# Allegro board 4CHOEI-X86brd-1.brd (continued)
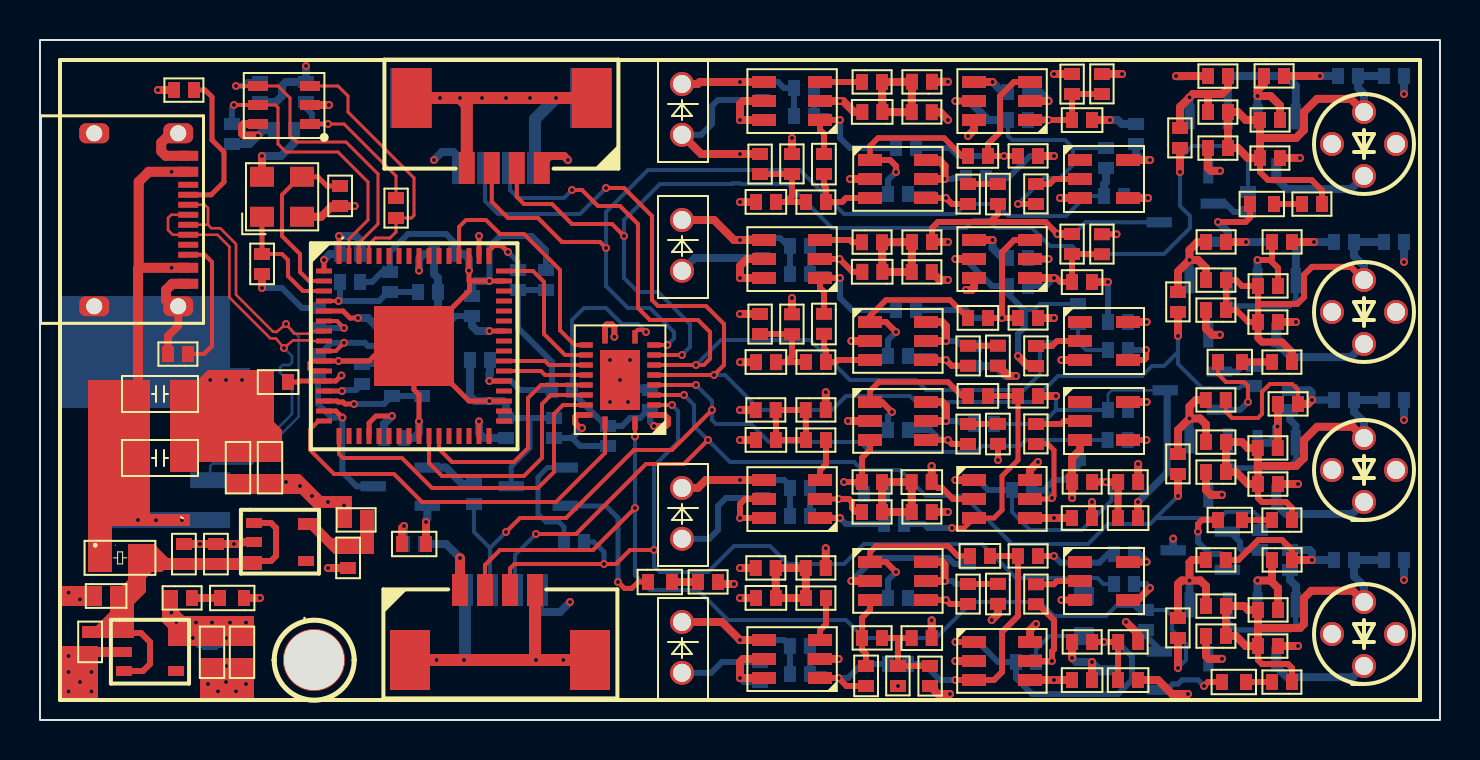
[diagram p0: board, top side]
## Routing (per net, layer and track width the routed paths; a pad name or vN(x,y) marks a point on that pad's centre or on a via; arc(x,y) is an arc through that point)
GND: length 524
  TOP w0.203: R43.2 59.29,15.41 59.6,15.1 60.9,15.1 61.1,15.3 61.1,16.4 61.5,16.8 62.6,16.8 62.9,16.5 R44.2
  TOP w0.25: U11.15 14.79,15.45 v1(15.12,15.12) ; U11.25 v1(18.95,14.93) 18.95,16.26 18.7,16.51 U11.65 ; U11.65 18.2,18.2 16.7,18.2 16.45,17.95 v1(14.93,17.95) U11.10 13.6,17.95 13.5,17.85 13.5,17.56 13.61,17.45 U11.11 ; U11.65 21.45,15.95 v1(22.47,15.95) U11.35 ; U11.65 21.48,21.48 21.48,21.95 ; v1(15.9,20.1) 15.5,20.1 15.15,20.45 U11.5 ; U11.1 v1(14.2,23) ; U11.51 v1(21.45,22.47) 21.45,21.98 21.48,21.95 ; U11.47 v1(22.47,21.95) 21.48,21.95 ; U15.2 v1(39.93,11.05)
  TOP w0.3: U16.2 45.65,11.05 45.1,11.6 44.88,11.6 C23.2 ; R63.2 v1(50.7,8.2) ; v1(39.93,11.05) 40.45,11.05 40.6,10.9 40.6,10.6 40.8,10.4 R58.1 ; C9.2 40.62,22.41 v1(39.98,23.05) U7.2 ; C18.2 v1(47.9,13) ; v1(28.72,19.16) 28.72,19.65 28.59,19.78 28.34,19.78 28.25,19.69 U12.11 ; C5.2 47.9,25.3 47.5,24.9 ; 47.5,24.9 50.27,24.9 v1(50.87,24.3) ; 47.5,24.9 44.9,24.9 44.6,24.6 R25.1 ; U8.2 v1(50.43,23.05) ; R64.2 59.92,8 60.92,9 62.1,9 62.6,8.5 R65.2
  TOP w0.36: U19.3 v1(51.07,6)
  TOP w0.4: U5.3 v1(51,26.1) ; R35.1 v1(35,20.3) ; v1(46.3,21.5) 46.59,21.5 46.7,21.61 U8.6 ; R66.1 v1(35,7.6) ; 6.91,20.68 6.91,19.71 6.4,19.2 R37.2 ; R16.1 v1(35,28.3) 33.06,28.3 PD1.2 ; U9.2 v1(40.57,18.95) ; U22.2 v1(45.77,2.95) ; C33.2 v1(44.59,4.99) ; C39.2 55.9,2 56.6,1.3 v1(57.4,1.3) ; C25.2 v1(54.9,10.9) ; v1(15.73,25.7) C6.1 14.6,25.7 14.06,25.16 Y1.2 ; R26.1 v1(50.87,24.3) ; R78.1 v1(51.6,3.1) ; U16.6 49.5,12.5 v1(49.9,12.9) ; v1(48.8,17.2) 48.41,17.2 C13.2 ; U2.6 46.7,29.5 v1(46.4,29.2) ; C19.2 v1(35,14) ; R4.1 v1(45.4,31.91) ; R33.2 v1(50.7,20.1) ; R1.2 57.2,32.2 57.19,32.2 v1(56.8,32.2) ; U2.2 v1(50.43,30.95) ; R42.2 v1(50.8,16.2) ; R22.2 v1(60.3,23.9) ; C14.2 v1(35.01,17.89) ; v1(35,25.9) C7.2 ; C23.2 v1(44.59,12.7) ; U10.3 v1(51.07,18) ; R7.2 v1(5.9,31.5) ; U21.2 v1(39.93,3.05) ; R2.2 v1(64,32.2) ; R23.2 v1(63.7,23.9) ; C8.1 v1(11.1,21.6) ; C29.1 v1(14.4,7.6) ; v1(63.6,8) R65.2 ; R45.1 v1(35,15.5) ; C38.2 v1(52.6,2.9) ; Y1.4 v1(11.1,28.2) ; U1.2 v1(40,30.95) 40.15,30.95 40.7,30.4 C1.2 ; v1(63.6,16) 63.4,15.8 R44.2 ; R13.2 v1(50.7,28.2) ; v1(53.4,21.9) C10.2 ; U22.6 49.5,4.5 v1(49.8,4.8) ; U17.2 10.11,8.9 10.01,8.8 v1(9.7,8.8) C27.1 v1(8,8.8) C26.1 ; R6.1 v1(50.7,32.3) ; U18.2 v1(40.57,6.95) ; U4.2 v1(40.5,27.05) ; v1(45.4,23.9) R25.1 ; v1(51.6,11.1) R55.1 51.6,12.49 51.6,12.5 51.6,13.1 52,13.5 U14.3 ; v1(47.59,5) 47.9,5.31 C30.2 ; C32.2 v1(35,6.1) ; D4.1 v1(11,6.1) ; C24.2 v1(52.6,10.9) ; U13.2 v1(40.4,14.95) ; v1(53.5,30) C2.2 ; U3.2 v1(14.45,30.75)
  TOP w0.5: U6.16 6.54,29.34 6.06,28.86 6.06,28.44 6.29,28.21 U6.1 ; U20.2 C34.1 ; U6.12 6.61,21.81 6.3,21.5 6.3,21 6.62,20.68 6.91,20.68
  TOP w0.6: J2.4 24.75,3.05 v1(24.8,3) ; v1(21,31.1) v1(20,31.1) J1.5 ; v1(21,31.1) 21.34,30.76 J1.4 ; v1(21,31.1) v1(22.1,31.1) v1(23.3,31.1) v1(24.5,31.1) v1(25.8,31.1) J1.6 ; v1(24.8,3) v1(26.17,3) J2.5 ; v1(24.8,3) v1(21.2,3) v1(19.83,3) J2.6
  GND-2 w0.127: 6.91,20.68 7.84,20.68 ; 6.91,20.68 6.91,21.36 ; 6.91,20.68 6.91,20.01 ; 6.91,20.68 5.98,20.68 ; 2.71,28.66 U6.15 ; U6.15 3.64,29.34 ; U6.15 2.71,30.01 ; U6.15 1.78,29.34 ; 1.78,20.68 2.71,20.68 ; 2.71,20.68 2.71,20.01 ; 2.71,20.68 2.71,21.36 ; 2.71,20.68 3.64,20.68 ; 6.91,28.66 U6.16 ; U6.16 6.91,30.01 ; U6.16 5.98,29.34 ; U6.16 7.84,29.34
  GND-2 w0.4: v1(50.7,20.1) R33.2 ; R33.2 49.8,20.1 47.9,22 ; R33.2 49.9,18.7 50.6,18 v1(51.07,18) ; v1(35,7.6) 36.9,7.6 37.6,6.9 37.6,5.25 ; v1(39.93,11.05) 38.75,11.05 37.7,12.1 ; 37.7,13.3 37.7,14.9 ; 37.7,13.3 43.2,13.3 ; 37.7,13.3 35.7,13.3 v1(35,14) ; 37.7,13.3 37.7,12.1 ; 37.7,14.9 37.1,15.5 v1(35,15.5) 35,15.89 35.01,15.9 v1(35.01,17.89) ; 37.7,14.9 37.75,14.95 v1(40.4,14.95) ; 37.7,12.1 36.7,11.1 34.14,11.1 PD3.2 ; 36.14,23.12 36.4,22.86 36.4,20.9 35.8,20.3 v1(35,20.3) ; 36.14,23.12 36.43,23.4 39.1,23.4 39.45,23.05 v1(39.98,23.05) 42.08,23.05 42.1,23.02 ; 36.14,23.12 32.76,23.12 PD2.2 ; 47.9,14.4 49.5,14.4 49.9,14 v1(49.9,12.9) 49.9,12.3 50.1,12.1 51.2,12.1 51.6,11.7 51.6,11.5 51.6,11.49 v1(51.6,11.1) 52.01,11.1 52.21,10.9 v1(52.6,10.9) v1(54.9,10.9) ; 47.9,14.4 47.9,15 46.7,16.2 ; 47.9,14.4 v1(47.9,13) ; v1(40.57,18.95) 40.57,20.17 42.05,21.65 ; 46.5,4.99 47.18,4.99 47.2,5 v1(47.59,5) 48.6,5 ; 46.5,4.99 v1(44.59,4.99) 44.21,5.36 43.5,5.36 43.4,5.26 ; 46.5,4.99 46.5,5.9 48.8,8.2 v1(50.7,8.2) ; 42.05,21.65 42.1,21.7 42.1,23.02 ; 42.05,21.65 42.7,21 45.8,21 ; 48.6,5 48.6,5.6 49,6 v1(51.07,6) 51.6,5.47 51.6,3.63 51.6,3.63 v1(51.6,3.1) 52,3.1 52.2,2.9 v1(52.6,2.9) ; 48.6,5 48.6,3.7 47.85,2.95 v1(45.77,2.95) ; 48.6,5 49.21,5 49.41,4.8 v1(49.8,4.8) ; 49.1,23.2 49.1,23.9 49.5,24.3 v1(50.87,24.3) ; 49.1,23.2 49.25,23.05 v1(50.43,23.05) ; 49.1,23.2 47.9,22 ; v1(51,26.1) 50.3,26.1 49.8,26.6 49.8,28.2 ; 37.6,5.25 37.6,4 36.8,3.2 32.94,3.2 PD4.2 ; 37.6,5.25 35.85,5.25 v1(35,6.1) ; 37.6,5.25 38.78,5.25 38.8,5.26 ; 42.35,30.95 v1(40,30.95) 33.79,30.95 PD1.2 ; 42.35,30.95 43.31,31.91 v1(45.4,31.91) ; 42.35,30.95 42.35,29.4 ; 45.8,21 46.9,21 47.9,22 ; 45.8,21 v1(46.3,21.5) ; v1(40.5,27.05) 40.5,27.58 42.32,29.4 42.35,29.4 ; v1(50.8,16.2) 46.7,16.2 ; 46.7,16.2 44.8,16.2 43.2,14.6 43.2,13.3 ; 43.4,5.26 42.9,4.76 v1(42.9,1.7) ; 43.4,5.26 41.4,5.26 ; 42.35,29.4 42.9,29.4 43.6,28.7 45.9,28.7 v1(46.4,29.2) 47.1,29.9 48.5,29.9 ; v1(53.5,30) 52.55,30.95 v1(50.43,30.95) ; 41.4,5.26 41.4,6.12 v1(40.57,6.95) ; 41.4,5.26 38.8,5.26 ; 43.2,13.3 43.98,13.3 v1(44.59,12.7) ; v1(50.43,30.95) 48.9,30.95 48.5,30.55 48.5,29.9 ; v1(50.43,30.95) 50.43,31.34 50.7,31.61 v1(50.7,32.3) ; 38.8,5.26 39.93,4.13 v1(39.93,3.05) ; v1(45.4,23.9) 42.9,23.9 42.1,23.1 42.1,23.02 ; 49.8,28.2 49.8,28.6 48.5,29.9 ; 49.8,28.2 v1(50.7,28.2)
  BOTTOM w0.127: v1(8.51,17) J4.8 ; v1(8.51,17) v1(9.3,17) v1(10.1,17) ; v1(8.51,17) J4.10 ; Q6.3 53.59,16.48 53.4,16.3 C68.2 ; J4.7 J4.9 3.51,18.69 2.71,19.49 2.71,20.68
  BOTTOM w0.203: Q3.3 52.28,24.89 51.7,24.3 v1(50.87,24.3) ; C69.2 50.1,14.8 50.8,15.5 ; 50.8,15.5 v1(50.8,16.2) ; 50.8,15.5 C68.2
  BOTTOM w0.25: Q9.3 23.56,12.66 24.5,13.6 24.5,15.1
  BOTTOM w0.3: C71.1 C70.2 ; PD1.2 33.06,29.26 33.6,29.8 33.6,30.7 33.9,31 C44.2 ; PD3.2 33.46,9.06 33.9,9.5 33.9,10.7 34.3,11.1 C75.2 ; v1(14.93,17.95) 15.75,17.95 15.9,17.8 R104.1 16.9,17.8 17.5,17.2 C64.1 ; C55.2 25.3,23.5 24.6,24.2 23,24.2 22.47,23.67 v1(22.47,21.95) ; v1(29,17) 29.6,17 30.1,16.5 C65.2 ; R101.1 13.1,20.6 12.1,21.6 v1(11.1,21.6) ; C63.1 13.9,15.8 14.58,15.12 v1(15.12,15.12) 15.12,12.4 15.83,11.69 Q10.3 ; C51.1 20.7,23.9 20.3,24.3 18.4,24.3 17.5,23.4 C57.1 17.1,22.4 16.6,21.9 C56.1 ; C59.2 v1(53.4,21.9) ; C79.2 45.72,7.8 45.42,8.1 41.72,8.1 v1(40.57,6.95) ; PD4.2 33.56,2.36 34.1,2.9 C82.2 ; C76.2 53.4,8.3 52.96,7.86 51.04,7.86 v1(50.7,8.2) ; v1(50.7,28.2) 49.5,28.2 48.4,27.1 C47.2
  BOTTOM w0.36: 56.36,16.48 56.36,12.36 v1(54.9,10.9) ; R108.2 63.49,16.5 63.6,16.39 v1(63.6,16) C67.2
  BOTTOM w0.4: v1(50.43,30.95) 49.98,31.4 C43.2 ; PD2.2 32.74,23.1 C54.2 ; C62.1 21.5,16.2 21.75,15.95 v1(22.47,15.95) 23.15,15.95 23.3,15.8 C71.1 ; C78.2 v1(63.6,8) 63.6,8.39 63.49,8.5 R119.2 ; Q11.3 v1(56.66,9.07) ; C81.2 9.2,2.8 v1(9.3,2.7) ; v1(21.45,22.47) 21.45,23.05 21.2,23.3 C51.1 ; v1(15.9,20.1) 16.4,20.1 16.8,19.7 C60.1 ; C52.1 14.5,23.3 v1(14.2,23) ; R84.2 v1(56.8,32.2) ; v1(22.47,21.95) 21.75,21.95 21.6,21.8 C58.1 ; C46.2 54.09,29.8 53.89,30 v1(53.5,30) ; Q14.3 53,2.48 52.6,2.88 v1(52.6,2.9) 51.8,2.9 v1(51.6,3.1) ; C61.2 47.77,17.7 48.27,17.2 v1(48.8,17.2) ; C77.2 v1(68.2,7) ; C66.2 v1(68.2,15) ; R95.2 v1(60.3,23.9) ; C40.2 v1(68.2,31.3) ; C45.1 12.7,28.85 12.05,28.2 v1(11.1,28.2) ; C72.1 18.69,14.1 18.95,14.36 v1(18.95,14.93) ; C49.2 v1(63.7,23.9) ; v1(50.43,23.05) 49.45,23.05 C53.2 ; C48.2 v1(68.2,22.9) ; C41.2 v1(64,32.2)
  BOTTOM w0.6: J2.5 v1(26.17,3) v1(24.8,3) v1(21.2,3) ; v1(25.8,31.1) J3.5 ; v1(25.8,31.1) 24.75,30.05 J3.4 ; v1(25.8,31.1) v1(24.5,31.1) v1(23.3,31.1) v1(22.1,31.1) v1(21,31.1) v1(20,31.1) J3.6 ; v1(21.2,3) 21.25,3.05 J5.4 ; v1(21.2,3) v1(19.83,3) J2.6
  vias: v1(1.43,6.37) v1(1.43,3.2) v1(1.43,2.4) v1(1.43,1.43) v1(2,6.03) v1(2,1.9) v1(2.57,2.4) v1(2.57,1.43) v1(8.4,1.8) v1(8.9,1.43) v1(9.3,1.9) v1(9.8,1.43) v1(10.3,1.8) v1(28.5,18) v1(28.5,15.9) v1(29.4,15.9) v1(29.5,18)
VBUS: length 7.8
  TOP w0.3: U20.1 5.05,4.35 5.5,3.9 5.5,2.8 5.15,2.45 U20.3 ; U17.3 11.55,7.95 11.8,8.2 11.8,9.6 11.55,9.85 U17.1
VBUSIN: length 20.8
  TOP w0.5: U6.11 v1(6.58,22.61) 4.94,22.61 ; 4.94,22.61 4.94,26.91 5.44,27.41 v1(6.58,27.41) U6.2 ; 4.94,22.61 4.9,22.57 C16.1
  BOTTOM w0.4: J4.1 4.69,9.99 4.7,10 v1(4.9,10) 5.33,10 5.34,9.99 v1(5.8,9.99) 6.56,9.99 6.57,10 v1(7.1,10) 7.11,9.99 J4.2
VDD18: length 46.2
  TOP w0.25: U11.37 v1(22.47,16.95) ; C15.2 12.89,16.9 12.94,16.95 U11.12 14.79,16.95 v1(15.07,17.23) ; U11.64 v1(14.95,24.2)
  VCC-3 w0.4: v1(15.2,10.73) 14.57,10.73 v1(14.4,10.9) 13.9,10.9 v1(13.6,11.2) 13.6,11.59 13.49,11.7 v1(13,11.7) 12.5,11.7 v1(12.3,11.9) 12.3,12.43 12.5,12.63 12.5,12.7 12.8,13 15.2,13 16.6,14.4 16.6,16.4 16.13,16.87 16.13,17.23 ; 17.3,18.4 17.3,23.1 16.2,24.2 v1(14.95,24.2) ; 17.3,18.4 16.13,17.23 ; 17.3,18.4 18.75,16.95 v1(22.47,16.95) ; 16.13,17.23 v1(15.07,17.23)
  BOTTOM w0.3: v1(22.47,16.95) 23.55,16.95 24,16.5 R107.2 25.6,17.9 23.9,19.6 R97.2 C55.1
  BOTTOM w0.4: v1(22.47,16.95) 22.47,17.34 22.5,17.37 C62.2 ; C52.2 16,24 15.8,24.2 v1(14.95,24.2)
VDD33: length 421.3
  TOP w0.25: U11.50 v1(21.95,24.2) ; U11.20 16.45,14.85 16.8,15.2 v1(17.6,15.2) ; U11.42 v1(22.47,19.45) ; U11.56 v1(18.95,22.47) ; U11.31 v1(21.95,14.93)
  TOP w0.3: U15.5 35.25,11.05 35,10.8 v1(35,10.1) U15.6 ; v1(27.1,14.6) 27,14.6 26.76,14.84 26.76,15.16 26.85,15.25 U12.19 ; R27.2 v1(53.83,24.29)
  TOP w0.36: U19.5 v1(55.33,7.9)
  TOP w0.4: R80.1 v1(62.9,3.7) ; U9.6 45.09,19.9 45.3,19.69 v1(45.3,18.95) U9.5 ; U13.6 45.09,15.9 45.3,15.69 v1(45.3,14.95) U13.5 ; U18.6 45.09,7.9 45.23,7.76 v1(45.23,6.95) U18.5 ; v1(45.4,30) 45.01,30.39 R8.2 ; v1(45.5,1.3) 44.9,1.3 R82.2 ; R34.1 v1(62.8,19.9) ; R28.2 44.99,22 v1(45.4,22) ; U22.4 v1(50.7,2) C38.1 ; U21.6 v1(35,2.1) 35,2.9 35.15,3.05 U21.5 ; U7.5 35.35,23.05 35,22.7 v1(35,22.1) U7.6 ; R15.2 v1(37.6,29.1) ; C24.1 v1(50.7,10.1) U16.4 ; U10.5 v1(55.33,19.9) ; R5.2 v1(54.1,32.3) ; v1(26.4,28) 26.2,28.2 25.49,28.2 25.09,27.8 J1.1 ; v1(10.9,29.22) 10.2,29.22 10.1,29.32 10.1,29.7 10.2,29.8 U3.6 ; R46.2 v1(39.29,16.39) ; U4.5 v1(45.23,27.05) 45.23,27.7 44.93,28 U4.6 ; U14.5 v1(55.33,15.9) ; R67.2 v1(39.29,8.59) ; R79.2 54.91,4.29 v1(54.3,4.9) ; R59.2 v1(45.4,10.4) ; U1.6 v1(35,30) 35,30.8 35.15,30.95 U1.5 ; v1(34.7,6.8) 34,6.8 R68.2 ; R14.1 v1(63,28.1) ; R36.2 v1(37.6,21.1) ; R56.2 v1(54.91,12.8) ; U2.4 v1(47.63,31.9) ; U5.5 v1(55.5,28) ; R57.1 v1(62.9,11.8) ; U8.4 v1(47.63,24)
  TOP w0.5: J2.1 v1(21,8.1)
  VCC-3 w0.4: v1(27.1,14.6) 27.1,14 26.7,13.6 25.8,13.6 ; 33.45,7.15 33.6,7.3 33.6,8 34.5,8.9 35.6,8.9 35.88,9.18 35.88,10.02 35.8,10.1 ; 33.45,7.15 33.7,6.9 34.07,6.9 34.17,6.8 v1(34.7,6.8) ; 33.45,7.15 33.1,6.8 30.9,6.8 30.1,6 27.9,6 26.6,7.3 26.6,7.5 ; 45.3,19.9 46.4,19.9 47,20.5 ; 55.5,30 55.5,30.9 54.8,31.6 53.4,31.6 ; 55.5,30 53.83,28.33 53.83,25.5 ; 55.5,30 v1(55.5,28) ; 55.5,30 56.2,29.3 60.4,29.3 61.6,28.1 ; 23.4,7.5 22.7,6.8 9.9,6.8 9.5,6.4 v1(9.5,4.87) ; 23.4,7.5 22.8,8.1 v1(21,8.1) ; 23.4,7.5 26.6,7.5 ; 55.33,8.7 55.33,9.63 55.9,10.2 55.9,11.8 v1(54.91,12.8) 54.38,12.8 53.3,13.88 53.3,16.9 ; 55.33,8.7 v1(55.33,7.9) ; 55.33,8.7 53.91,7.28 53.91,5.82 54.3,5.43 v1(54.3,4.9) 54.91,4.29 54.91,3.31 53.6,2 v1(50.7,2) ; 47,20.5 47,21.5 ; 47,20.5 47,19.4 ; 47,27.9 47,25.15 47.63,24.53 v1(47.63,24) 47.63,23.23 47,22.6 47,21.5 ; 47,27.9 46.08,27.9 45.69,27.51 ; 47,27.9 47,28.5 48.3,29.8 48.3,30.4 ; 53.4,31.6 v1(54.1,32.3) ; 53.4,31.6 48.9,31.6 ; 55.33,21 54.4,21 53.3,19.9 53.3,16.9 ; 55.33,21 55.33,24 53.83,25.5 ; 55.33,21 v1(55.33,19.9) ; 36.5,22.8 35.8,22.1 v1(35,22.1) ; 36.5,22.8 36.5,21.8 ; 36.5,22.8 36.5,25.2 37.6,26.3 R15.2 ; 46.7,10.9 46.7,14.9 47,15.2 47,16.4 ; 46.7,10.9 45.9,10.9 v1(45.4,10.4) ; 46.7,10.9 47.5,10.1 v1(50.7,10.1) ; 46.7,10.9 46.7,7.8 ; 53.3,16.9 54.3,15.9 v1(55.33,15.9) ; v1(35,2.1) 35.9,2.1 37,3.2 37,8 38.44,9.44 ; v1(53.83,24.29) 53.83,25.5 ; 25.8,13.6 27,12.4 27,7.9 26.6,7.5 ; 25.8,13.6 24.47,14.93 ; 61.08,19.9 v1(62.8,19.9) ; 61.08,19.9 61.08,21.08 62.3,22.3 62.3,26.4 61.6,27.1 61.6,28.1 ; 61.08,19.9 61.08,19.08 58.8,16.8 58.8,14.04 61.04,11.8 ; v1(45.23,27.05) 45.69,27.51 ; 45.69,27.51 44.2,29 40.7,29 40,28.3 R15.2 ; 48.3,30.4 46.6,30.4 46.2,30 v1(45.4,30) ; 48.3,30.4 48.9,31 48.9,31.6 ; 36.79,11.09 38.44,9.44 ; 36.79,11.09 35.8,10.1 ; 36.79,11.09 36.5,11.38 36.5,17 ; 38.44,9.44 v1(39.29,8.59) ; 18.05,29.65 16.6,28.2 13.6,28.2 12.58,29.22 v1(10.9,29.22) ; 18.05,29.65 19,28.7 ; 18.05,29.65 15,32.7 v1(13.3,32.7) ; v1(45.4,22) 46.05,22 46.08,22.03 46.52,22.03 46.83,21.72 46.83,21.67 47,21.5 ; v1(35,30) 36.7,30 v1(37.6,29.1) R15.2 ; 24.47,14.93 25.6,16.05 25.6,18.5 24.65,19.45 24.05,19.45 ; 24.47,14.93 v1(21.95,14.93) 21.47,14.93 20.6,15.8 18.2,15.8 v1(17.6,15.2) ; v1(39.29,16.39) 37.11,16.39 36.5,17 ; 22,25.8 21.95,25.75 v1(21.95,24.2) ; 22,25.8 22,25.9 ; 22,25.8 23.5,25.8 25.7,23.6 25.7,21.1 24.05,19.45 ; 22,25.9 21.9,25.8 20.4,25.8 20,25.4 20,23.52 v1(18.95,22.47) ; 22,25.9 22,28.2 21.5,28.7 ; v1(19.7,28) 19,28.7 ; 19,28.7 21.5,28.7 ; 35.8,10.1 v1(35,10.1) ; 21.5,28.7 25.7,28.7 v1(26.4,28) ; 46.7,7.8 46.7,4.2 47.3,3.6 47.3,1.7 46.9,1.3 v1(45.5,1.3) ; 46.7,7.8 45.69,7.8 45.23,7.34 v1(45.23,6.95) ; 47,16.4 46.6,16 45.6,16 45.3,15.7 v1(45.3,14.95) ; 47,16.4 47,19.4 ; 26.6,7.5 26.5,7.4 v1(26.5,5.9) ; v1(22.47,19.45) 24.05,19.45 ; 36.5,21.8 37.2,21.1 v1(37.6,21.1) ; 36.5,21.8 36.5,17 ; v1(62.9,3.7) 62.4,4.2 62.4,7.4 61.04,8.76 61.04,11.8 ; v1(45.3,18.95) 46.55,18.95 47,19.4 ; 61.6,28.1 v1(63,28.1) ; 48.9,31.6 47.93,31.6 v1(47.63,31.9) ; v1(62.9,11.8) 61.04,11.8
  BOTTOM w0.3: C69.1 46.1,14.8 45.95,14.95 v1(45.3,14.95) ; 26.6,14.1 27,13.7 R110.2 ; 26.6,14.1 v1(27.1,14.6) ; 26.6,14.1 C70.1 ; C44.1 v1(35,30) ; C79.1 45.77,6.8 45.62,6.95 v1(45.23,6.95) ; U10.5 v1(55.33,19.9) ; 20.3,19.7 20.3,17.5 20,17.2 R106.2 ; 20.3,19.7 20.8,20.2 C58.2 ; 20.3,19.7 L2.1 ; C75.1 v1(35,10.1) ; C61.1 46.1,18.7 45.85,18.95 v1(45.3,18.95) ; v1(45.23,27.05) 45.62,27.05 45.67,27.1 C47.1 ; v1(55.33,15.9) 54.8,15.9 C68.1 ; C82.1 35.2,1.9 v1(35,2.1)
  BOTTOM w0.4: v1(47.63,31.9) 48.13,31.4 C43.1 ; J5.1 25,5.51 25.11,5.4 26,5.4 v1(26.5,5.9) ; v1(17.6,15.2) 17.2,14.8 C72.2 ; v1(21,8.1) 20.3,8.8 R62.2 ; C54.1 v1(35,22.1) ; v1(9.3,4.1) 9,3.8 C81.1 7.94,3.8 v1(7.64,4.1) ; J3.1 21,28.07 20.67,28.4 20.1,28.4 v1(19.7,28) ; v1(22.47,19.45) 21.86,19.45 21.6,19.71 C58.2 ; C45.2 11.18,29.5 v1(10.9,29.22) 10.48,28.8 R89.2 ; R86.2 11.8,30.9 12.1,31.2 12.1,31.7 12.3,31.9 R85.2 v1(13.3,32.7) ; v1(55.33,7.9) 54.93,8.3 C76.1 ; v1(47.63,24) 47.63,23.6 48.13,23.1 C53.1 ; v1(18.95,22.47) 18.95,23.05 19.2,23.3 C51.2 19.7,22.3 19.9,22.1 L1.1 19.9,20.63 19.77,20.5 19.42,20.5 19.11,20.19 L2.1 ; C71.2 22.2,14.1 21.95,14.35 v1(21.95,14.93) ; v1(55.5,28) 55.11,28 54.8,28.31 C46.1
  vias: v1(6.57,5.37) v1(6.81,4.9) v1(7.8,4.87) v1(8.6,4.87) v1(10.3,4.87)
DM: length 23.9
  TOP w0.127: U11.7 13.57,19.45 13.43,19.31 12.76,19.31 12.71,19.32 v1(12.3,19.8) 11.83,19.4 11.65,19.42 9.8,21.26 9.8,23.8 9.01,24.59 8.57,24.59 8.4,24.76 ; U6.5 8.24,25.76 8.4,25.6 8.4,24.76 ; 8.4,24.76 U6.7
  BOTTOM w0.127: v1(12.3,19.8) 12.93,19.17 12.93,15.16 10.59,12.82 8.64,12.82 8.51,12.7 J4.4
DP: length 23.7
  TOP w0.127: U11.8 13.57,18.95 13.54,18.98 12.74,18.98 12.66,18.99 v1(12.2,18.6) 11.8,19.07 11.64,19.09 11.51,19.09 9.47,21.13 9.47,23.66 8.87,24.26 U6.8 6.64,24.26 6.4,24.5 6.4,25.1 6.56,25.26 U6.6
  BOTTOM w0.127: J4.6 8.51,13.28 8.64,13.16 10.46,13.16 12.6,15.3 12.6,17.11 12.47,17.24 12.13,17.24 12,17.37 12,17.62 12.13,17.75 12.47,17.75 12.6,17.88 12.6,18.2 v1(12.2,18.6)
RXD_A: length 46.3
  TOP w0.203: U12.3 v1(31.6,15.75) ; v1(30.7,8.5) 29.5,8.5 28.8,7.8 v1(28.2,7.8) 23.73,7.8 23.5,7.57 J2.3
  BOTTOM w0.203: 52,7.1 52.2,6.9 R122.2 ; 52,7.1 48.8,7.1 47.1,8.8 41.2,8.8 40.2,7.8 37.4,7.8 36.5,8.7 34.7,8.7 33.4,7.4 31,7.4 30.7,7.7 v1(30.7,8.5) 30.7,12.7 31.9,13.9 31.9,15.45 v1(31.6,15.75) ; 52,7.1 52.87,7.1 53.17,6.8 R120.1
  BOTTOM w0.25: R118.2 27.7,8.9 28.2,8.4 v1(28.2,7.8)
RXD_B: length 43.5
  TOP w0.203: U12.5 v1(32.8,16.75) ; v1(23.3,9.4) 24,10.1 26.3,10.1 29.7,13.5 31.6,13.5 v1(33.6,15.5)
  BOTTOM w0.203: R111.1 R112.2 49.3,14 49,13.7 47.1,13.7 46.8,13.4 41.5,13.4 41,13.9 36.45,13.9 35.55,14.8 33.8,14.8 33.6,15 v1(33.6,15.5) 33.6,15.95 v1(32.8,16.75) ; v1(23.3,9.4) 22.5,8.6 ; 22.5,8.6 J5.3 ; 22.5,8.6 21.7,9.4 R114.2
RXD_C: length 46.1
  TOP w0.203: U12.7 v1(32.8,17.75) 33.19,17.75 33.5,18.06 33.5,19.4 32.9,20 30.5,20 29.9,20.6 29.9,24.8 29,25.7 27.9,25.7 27.1,26.5 v1(26.6,26.5)
  BOTTOM w0.203: v1(26.6,26.5) 26.2,26.1 23.9,26.1 23.5,26.5 J3.3 ; 51.9,18.9 50.3,18.9 50,18.6 50,17.3 49.2,16.5 44.3,16.5 43.8,17 40.5,17 38.5,19 34.05,19 v1(32.8,17.75) ; 51.9,18.9 52.3,18.5 R102.1 ; 51.9,18.9 R100.2
RXD_D: length 46.9
  TOP w0.203: U12.9 v1(31.37,18.75) ; J1.3 22.59,25.91 23.4,25.1 24.9,25.1 26.1,23.9 28,23.9 v1(28.3,23.6)
  BOTTOM w0.203: R93.1 52.3,26.2 51.3,25.2 48.4,25.2 47.8,25.8 46.3,25.8 45.8,25.3 40.2,25.3 38,27.5 30.4,27.5 28.3,25.4 v1(28.3,23.6) 28.3,21.7 29.4,20.6 30.5,20.6 31.7,19.4 31.7,19.08 v1(31.37,18.75)
  BOTTOM w0.4: R93.1 53.2,26.79 53.3,26.89 R91.2
RXDA: length 17.4
  TOP w0.2: U11.17 14.95,13.3 15.15,13.1 18.1,13.1 19.6,11.6 24.9,11.6 25.7,12.4 25.7,15.3 26.15,15.75 U12.18
RXDB: length 11.3
  TOP w0.2: U12.16 25.05,16.75 24.4,16.1 24.4,13.6 23.7,12.9 20.6,12.9 19.95,13.55 U11.27
RXDC: length 4.2
  TOP w0.2: U11.39 25.25,17.95 25.45,17.75 U12.14
RXDD: length 12.3
  TOP w0.2: U12.12 26.73,18.75 26,19.48 26,22.5 24.2,24.3 23,24.3 22.3,25 21.3,25 20.95,24.65 U11.52
TXD_A: length 51.7
  TOP w0.203: J2.2 22.25,7.75 23,8.5 27.65,8.5 v1(29.75,10.6) ; v1(29.75,14.18) U12.1
  TOP w0.4: R75.1 v1(56.9,2.6)
  BOTTOM w0.203: v1(56.9,2.6) 57.3,3 57.3,3.8 56.6,4.5 56.6,5.2 56.3,5.5 R123.1 54.9,5.5 54.7,5.7 53.8,5.7 53.3,5.2 50.7,5.2 50,5.9 46.6,5.9 44.8,4.1 41.2,4.1 40.3,5 34.4,5 32.9,6.5 30.5,6.5 29.75,7.25 v1(29.75,10.6) v1(29.75,14.18)
TXD_B: length 51.8
  TOP w0.203: v1(33.4,14) 32.2,12.8 30.3,12.8 26.8,9.3 v1(24.8,9.3) ; U12.4 v1(32.2,16.25)
  TOP w0.4: R52.1 v1(56.9,11.2)
  BOTTOM w0.203: 55.85,10.15 55.5,9.8 53.4,9.8 52.4,8.8 48.6,8.8 46.2,11.2 44.3,11.2 43,12.5 41.1,12.5 40.7,12.9 34.5,12.9 v1(33.4,14) 32.7,14.7 32.7,15.75 v1(32.2,16.25) ; 55.85,10.15 v1(56.9,11.2) ; 55.85,10.15 55.9,10.1 59,10.1 59.3,10.4 60.7,10.4 61,10.1 R117.1 ; v1(24.8,9.3) 23.75,8.25 J5.2
TXD_C: length 57.8
  TOP w0.203: v1(28.3,26.6) 29.2,26.6 30.6,25.2 30.6,21 30.9,20.7 33.3,20.7 34.2,19.8 34.2,17.75 v1(33.7,17.25) U12.6
  TOP w0.4: R31.1 v1(56.9,19.2)
  BOTTOM w0.203: 56.9,18.4 56.9,17.8 58.1,16.6 59.97,16.6 60.07,16.7 R105.1 ; 56.9,18.4 56.2,17.7 55.6,17.7 55.1,17.2 50.9,17.2 49.6,15.9 43.8,15.9 43.5,16.2 40.3,16.2 39.6,15.5 36,15.5 34.25,17.25 v1(33.7,17.25) ; 56.9,18.4 v1(56.9,19.2) ; J3.2 22.25,25.95 22.9,25.3 27,25.3 v1(28.3,26.6)
TXD_D: length 59.8
  TOP w0.203: J1.2 23.84,26.16 24.2,25.8 25.6,25.8 26.6,24.8 28.6,24.8 v1(29.2,24.2) ; v1(32.1,18.25) U12.8
  TOP w0.4: R11.1 v1(57,27.4)
  BOTTOM w0.203: R94.1 60.4,28.2 59.9,28.7 57.6,28.7 57,28.1 v1(57,27.4) 57,25.7 57.5,25.2 57.5,24.6 56.2,23.3 52,23.3 51.6,23.7 50.5,23.7 49.6,24.6 47.8,24.6 47.4,25 46.7,25 46.3,24.6 39.6,24.6 37.4,26.8 35.02,26.8 34.98,26.83 34.63,26.83 34.59,26.8 31,26.8 29.2,25 v1(29.2,24.2) 29.2,22.1 29.9,21.4 30.9,21.4 32.5,19.8 32.5,18.65 v1(32.1,18.25)
TXDA: length 20.2
  TOP w0.2: U11.16 13.93,14.95 13.5,14.53 13.5,13.5 14.7,12.3 17.7,12.3 19.1,10.9 25.8,10.9 28.25,13.35 U12.20
TXDB: length 12.7
  TOP w0.2: U11.26 19.45,12.85 20.1,12.2 24.2,12.2 25.1,13.1 25.1,15.8 25.55,16.25 U12.17
TXDC: length 4.2
  TOP w0.2: U11.38 25.05,17.45 25.25,17.25 U12.15
TXDD: length 7.4
  TOP w0.2: U11.48 24.65,22.45 25.2,21.9 25.2,19.3 26.25,18.25 U12.13
N00582: length 14.4
  TOP w0.15: U3.5 11.77,30.75 11.9,30.62 11.9,28.8 12.3,28.4 14.9,28.4 16.4,26.9 16.4,25 15.45,24.05 U11.63
  TOP w0.203: U3.5 v1(9.7,30.75)
  BOTTOM w0.3: v1(9.7,30.75) 9.6,30.65 R89.1
N00604: length 15.8
  TOP w0.15: U11.62 15.95,23.85 16.9,24.8 16.9,27.3 15.3,28.9 12.83,28.9 12.5,29.23 12.5,31.1 11.9,31.7 U3.4
  TOP w0.203: U3.4 v1(9.8,31.7)
  BOTTOM w0.3: v1(9.8,31.7) 10.19,31.7 10.39,31.9 R86.1
N00616: length 13.3
  TOP w0.15: U3.3 14.9,31.7 15.4,31.2 15.4,30.4 18.7,27.1 18.7,25.23 18.57,25.1 R21.2 17.8,24.4 17.5,24.1 16.76,24.1 16.45,23.79 U11.61
N00760: length 8.4
  TOP w0.15: v1(14.4,29.8) 15.2,29.8 17.8,27.2 R21.1
  TOP w0.203: v1(14.4,29.8) U3.1
  BOTTOM w0.3: R85.1 13.3,30.6 13.6,30.3 13.6,30 13.8,29.8 v1(14.4,29.8)
N01942: length 2.6
  TOP w0.25: v1(23.4,23.4) 23.08,23.72 22.99,23.72 22.99,23.73 22.7,23.73 22.45,23.48 U11.49
  BOTTOM w0.25: v1(23.4,23.4) 23.9,22.9 R97.1
N02617: length 2.4
  TOP w0.203: v1(15.2,19.6) 14.85,19.95 U11.6
  BOTTOM w0.3: R101.2 v1(15.2,19.6)
N02788: length 5.1
  TOP w0.25: v1(15.7,15.8) 15.25,15.8 15.15,15.9 14.9,15.9 14.85,15.95 U11.14
  BOTTOM w0.3: v1(15.7,15.8) 17.2,15.8 C64.2 R106.1
N03863: length 6.7
  TOP w0.203: U11.9 14.79,18.45 v1(15.2,18.86)
  BOTTOM w0.3: C63.2 14,18.3 14.56,18.86 v1(15.2,18.86) 16.24,18.86 16.4,18.7 C60.2 L2.2
N03880: length 5.9
  TOP w0.203: U11.4 v1(14.93,20.95)
  BOTTOM w0.3: L1.2 C57.2 17.4,21.4 16.95,20.95 v1(14.93,20.95) 15,21.02 C56.2
N15178: length 16.5
  TOP w0.203: v1(30.3,19.4) 30.2,19.5 29.88,19.5 29.75,19.37 U12.10
  TOP w0.3: U12.2 31.23,15.25 31.4,15.08 31.4,14.8 31.3,14.7 v1(30.7,14.7)
  BOTTOM w0.203: v1(30.3,19.4) 29.9,19.8 29.1,19.8 28.3,20.6 27.2,20.6 26.6,20 R107.1
  BOTTOM w0.3: R107.1 26.6,16.4 28.3,14.7 R110.1 29.1,14.7 29.5,15.1 30,15.1 30.4,15.5 C65.1 30.5,14.9 v1(30.7,14.7)
N619829: length 2
  TOP w0.25: U11.13 v1(15.1,16.45)
  BOTTOM w0.3: v1(15.1,16.45) 15.15,16.5 15.8,16.5 R104.2
N625108: length 8.6
  TOP w0.4: PD2.1 33.7,25 34.7,24 v1(35,24) U7.4
  BOTTOM w0.3: v1(35,24) 35.39,24 35.49,24.1 37,24.1 37.4,23.7 C50.1 R96.1
N625141: length 9.9
  TOP w0.3: C12.1 39.2,21.41 39,21.61 U7.1 v1(40,22.1)
  BOTTOM w0.3: R99.2 40.6,20.5 40,21.1 v1(40,22.1) 39.61,22.1 39.41,22.3 R96.2 C50.2
N797485: length 4.2
  TOP w0.3: U9.4 v1(45.3,18) 45.59,17.71 R38.2
  BOTTOM w0.3: v1(45.3,18) 44.91,18 44.71,18.2 R103.2
N797493: length 8.8
  TOP w0.28: U9.1 41.5,20.2 42.3,21 45.5,21 C11.2
  TOP w0.3: v1(42.8,19.4) 42.3,19.9 U9.1
  BOTTOM w0.3: v1(42.8,19.4) 42.4,19 R103.1
N797585: length 6.6
  TOP w0.3: v1(50.7,22.1) 50.82,22.1 51.02,21.9 C10.1 R26.2 52.19,23.3 52.2,23.29 R27.1
  TOP w0.4: U8.1 v1(50.7,22.1)
  BOTTOM w0.3: v1(50.7,22.1) 50.3,21.7 R98.2
N797593: length 12
  TOP w0.4: U8.5 v1(45.77,23.05) ; v1(48.9,18.2) 49.4,17.7 R39.1
  BOTTOM w0.203: 49.2,20.5 49.7,20.5 50,20.8 R100.1
  BOTTOM w0.3: v1(45.77,23.05) 46.25,23.05 47.6,21.7 R98.1 48.4,21.3 49.24,20.46 49.24,19.64 48.9,19.3 v1(48.9,18.2)
N797877: length 10.9
  TOP w0.3: v1(48.1,20.1) 48.1,23.39 48.71,24 U8.3 ; v1(48.1,20.1) R33.1 ; v1(48.1,20.1) C11.1
  BOTTOM w0.3: v1(48.1,20.1) 46.7,20.1 46.3,20.5 R99.1
N797953: length 3.7
  TOP w0.3: U9.3 39.89,18 39.79,17.9 R40.1 39.3,18.49 39.2,18.59 C12.2
N798113: length 4.6
  TOP w0.3: R35.2 37,19.3 37.01,19.29 R36.1 37.6,18.2 37.3,17.89 ; 37.3,17.89 37.8,17.89 37.81,17.9 R40.2 ; 37.3,17.89 C14.1
N804959: length 1.5
  TOP w0.3: C13.1 47.31,18.71 47.3,18.71 R38.1
N809789: length 2.3
  TOP w0.3: U10.2 50.85,18.95 50.6,18.7 R39.2
N814492: length 2.2
  TOP w0.3: v1(55.3,18.5) 55.3,18.11 55.19,18 U10.4
  BOTTOM w0.3: R102.2 v1(55.3,18.5)
N820703: length 1.5
  TOP w0.3: R18.1 C5.1
N820707: length 4.2
  TOP w0.3: R18.2 45.6,25.8 v1(45.3,26.1) U4.4
  BOTTOM w0.3: R92.2 44.71,26.3 44.91,26.1 v1(45.3,26.1)
N820719: length 9.1
  TOP w0.28: U4.1 41.5,28.7 41.9,29.1 45.2,29.1 46.1,28.2 C3.2
  TOP w0.3: v1(42.8,27.4) 42.8,27.7 42.5,28 U4.1
  BOTTOM w0.3: R92.1 42.4,27 v1(42.8,27.4)
N820731: length 5.9
  TOP w0.3: U2.1 v1(50.43,30) C2.1 R6.2 R5.1
  BOTTOM w0.4: R88.2 v1(50.43,30)
N820747: length 8.4
  TOP w0.4: U1.4 v1(35,31.9) 32.99,31.9 32.89,31.8 PD1.1
  BOTTOM w0.3: v1(35,31.9) 36.9,31.9 37.2,31.6 C42.1 R87.1
N820755: length 9.5
  TOP w0.3: C4.1 39.2,29.31 39,29.51 U1.1 v1(40,30)
  BOTTOM w0.3: C42.2 R87.2 39.4,30.2 39.6,30 v1(40,30) 40,29.1 40.5,28.6 R90.2
N820875: length 15.2
  TOP w0.3: R17.1 v1(48.9,25.8) ; U2.5 v1(45.77,30.95)
  BOTTOM w0.203: 51.65,28.6 51.25,29 48.6,29 48.4,29.2 R88.1 ; 51.65,28.6 51.65,27.75 51,27.1 50.2,27.1 v1(48.9,25.8) ; 51.65,28.6 R91.1
  BOTTOM w0.4: R88.1 47.4,30 46.45,30.95 v1(45.77,30.95)
N821237: length 2.3
  TOP w0.3: U5.2 50.73,27.05 50.48,26.8 R17.2
N821249: length 2.2
  TOP w0.4: U5.4 v1(55.4,26.1)
  BOTTOM w0.4: R93.2 54.91,26.2 55.01,26.1 v1(55.4,26.1)
N821327: length 11.1
  TOP w0.3: R13.1 v1(48.2,28.2) C3.1 47.4,28.8 48,29.4 48,31.2 48.7,31.9 U2.3
  BOTTOM w0.3: v1(48.2,28.2) 45.9,28.2 45.5,28.6 R90.1
N821379: length 3.7
  TOP w0.3: U4.3 40.3,26.1 40.1,25.9 R19.1 39.3,26.6 39.2,26.7 C4.2
N821423: length 2.1
  TOP w0.3: R3.1 U1.3
N821555: length 4.6
  TOP w0.3: 37.3,25.9 R19.2 ; 37.3,25.9 C7.1 ; 37.3,25.9 37.6,26.2 R15.1 R16.2
N884584: length 7.6
  TOP w0.25: U6.4 8.56,26.26 9.2,26.9 9.2,28.4 8.6,29 8.6,31.15 8.25,31.5 R7.1
N886048: length 6.9
  TOP w0.203: U6.10 8.24,23.26 8.6,22.9 8.6,18.7 8.2,18.3 R37.1
N887669: length 9.1
  TOP w0.203: U11.2 13.45,21.95 13,22.4 13,23.3 12.1,24.2 12.1,26.26 13,27.16 Y1.3
  TOP w0.25: Y1.3 13.89,27.16 14.35,26.7 C6.2
N887689: length 6.2
  TOP w0.203: C8.2 12.1,23.3 12.4,23 12.4,22.2 13.15,21.45 U11.3
  TOP w0.25: C8.2 Y1.1
N909852: length 7.8
  TOP w0.3: U15.1 v1(40,10.1)
  BOTTOM w0.3: C73.2 R115.2 39.51,10.2 39.61,10.1 v1(40,10.1) 40.3,9.8 R116.2 C74.1
N909860: length 12.9
  TOP w0.25: v1(45.6,9.6) 46.2,9.6 U16.3 47.7,10.1 48.1,10.5 48.1,12.2 48.9,13 R42.1
  TOP w0.3: C17.1 R42.1
  BOTTOM w0.3: R116.1 44.2,9.8 44.4,9.6 v1(45.6,9.6)
N909984: length 1.5
  TOP w0.3: R48.1 47.3,14.8 47.31,14.8 C18.1
N909988: length 4.4
  TOP w0.3: R48.2 45.6,13.8 v1(45.4,14) U13.4
  BOTTOM w0.3: v1(45.4,14) 45.01,14 44.51,14.5 R109.2
N910000: length 8.2
  TOP w0.28: C17.2 46.1,16.2 45.4,16.9 41.95,16.9 41.5,16.45 U13.1
  TOP w0.3: v1(42.6,15.4) 42.1,15.9 U13.1
  BOTTOM w0.3: v1(42.6,15.4) 42.4,15.2 R109.1
N910012: length 15.2
  TOP w0.36: R55.2 v1(53.3,11.9) R56.1 53.91,11.31 53.9,11.3 C25.1
  TOP w0.4: U16.1 v1(45.77,12)
  BOTTOM w0.203: v1(53.3,11.9) 53.58,11.62 53.58,10.98 52.1,9.5 49.5,9.5 48.6,10.4 R113.2
  BOTTOM w0.3: R113.2 47.4,11.5 46.9,12 v1(45.77,12)
N910028: length 8.4
  TOP w0.4: U15.4 v1(35,12) 33.29,12 32.89,11.6 PD3.1
  BOTTOM w0.3: v1(35,12) 37.2,12 37.5,11.7 C73.1 R115.1
N910156: length 8.2
  TOP w0.25: R47.1 50.39,13.8 50.7,13.49 50.7,11.2 v1(50.6,11.1) 50.55,11.05 U16.5
  BOTTOM w0.3: 50.2,11.5 50.7,12 51.2,12 51.9,12.7 R112.1 ; 50.2,11.5 v1(50.6,11.1) ; 50.2,11.5 R113.1
N910546: length 2.3
  TOP w0.3: U14.2 51.21,14.95 51.06,14.8 R47.2
N910558: length 1.9
  TOP w0.3: U14.4 v1(55.33,14)
  BOTTOM w0.3: R111.2 v1(55.33,14)
N910688: length 4.5
  TOP w0.3: U13.3 41.5,13.51 41.1,13.11 R54.1 v1(40.2,11.9)
  BOTTOM w0.3: v1(40.2,11.9) 40.7,11.9 41.2,11.4 C74.2
N910732: length 2.1
  TOP w0.3: R49.1 39.3,12.79 39,12.49 U15.3
N910864: length 6
  TOP w0.4: R58.2 R59.1 43.59,10.99 43.59,11 C23.1 R54.2 R58.2
N911060: length 1.5
  TOP w0.3: R69.1 47.3,6.8 47.31,6.8 C30.1
N911064: length 4.1
  TOP w0.3: R69.2 45.5,5.8 v1(45.3,6) U18.4
  BOTTOM w0.3: R121.2 44.81,6.1 44.91,6 v1(45.3,6)
N911076: length 8.8
  TOP w0.28: U18.1 41.5,8.39 41.81,8.7 45.4,8.7 45.9,8.2 C28.2
  TOP w0.3: v1(42.8,7.4) 42.3,7.9 U18.1
  BOTTOM w0.3: v1(42.8,7.4) 42.4,7 R121.1
